# Altium PCB yard-ice.PcbDoc (part 2 of 3)
Units mm, origin at the board's own origin, x right, y up, seen from the top; angles counter-clockwise.
Board outline 109.14 x 69.34 mm, 2 copper layers (Top Layer, Bottom Layer), stack 1.611 mm thick; 175 components, 162 nets, 702 pads, 445 vias.
Unrouted connection lines stored in the file: 1.
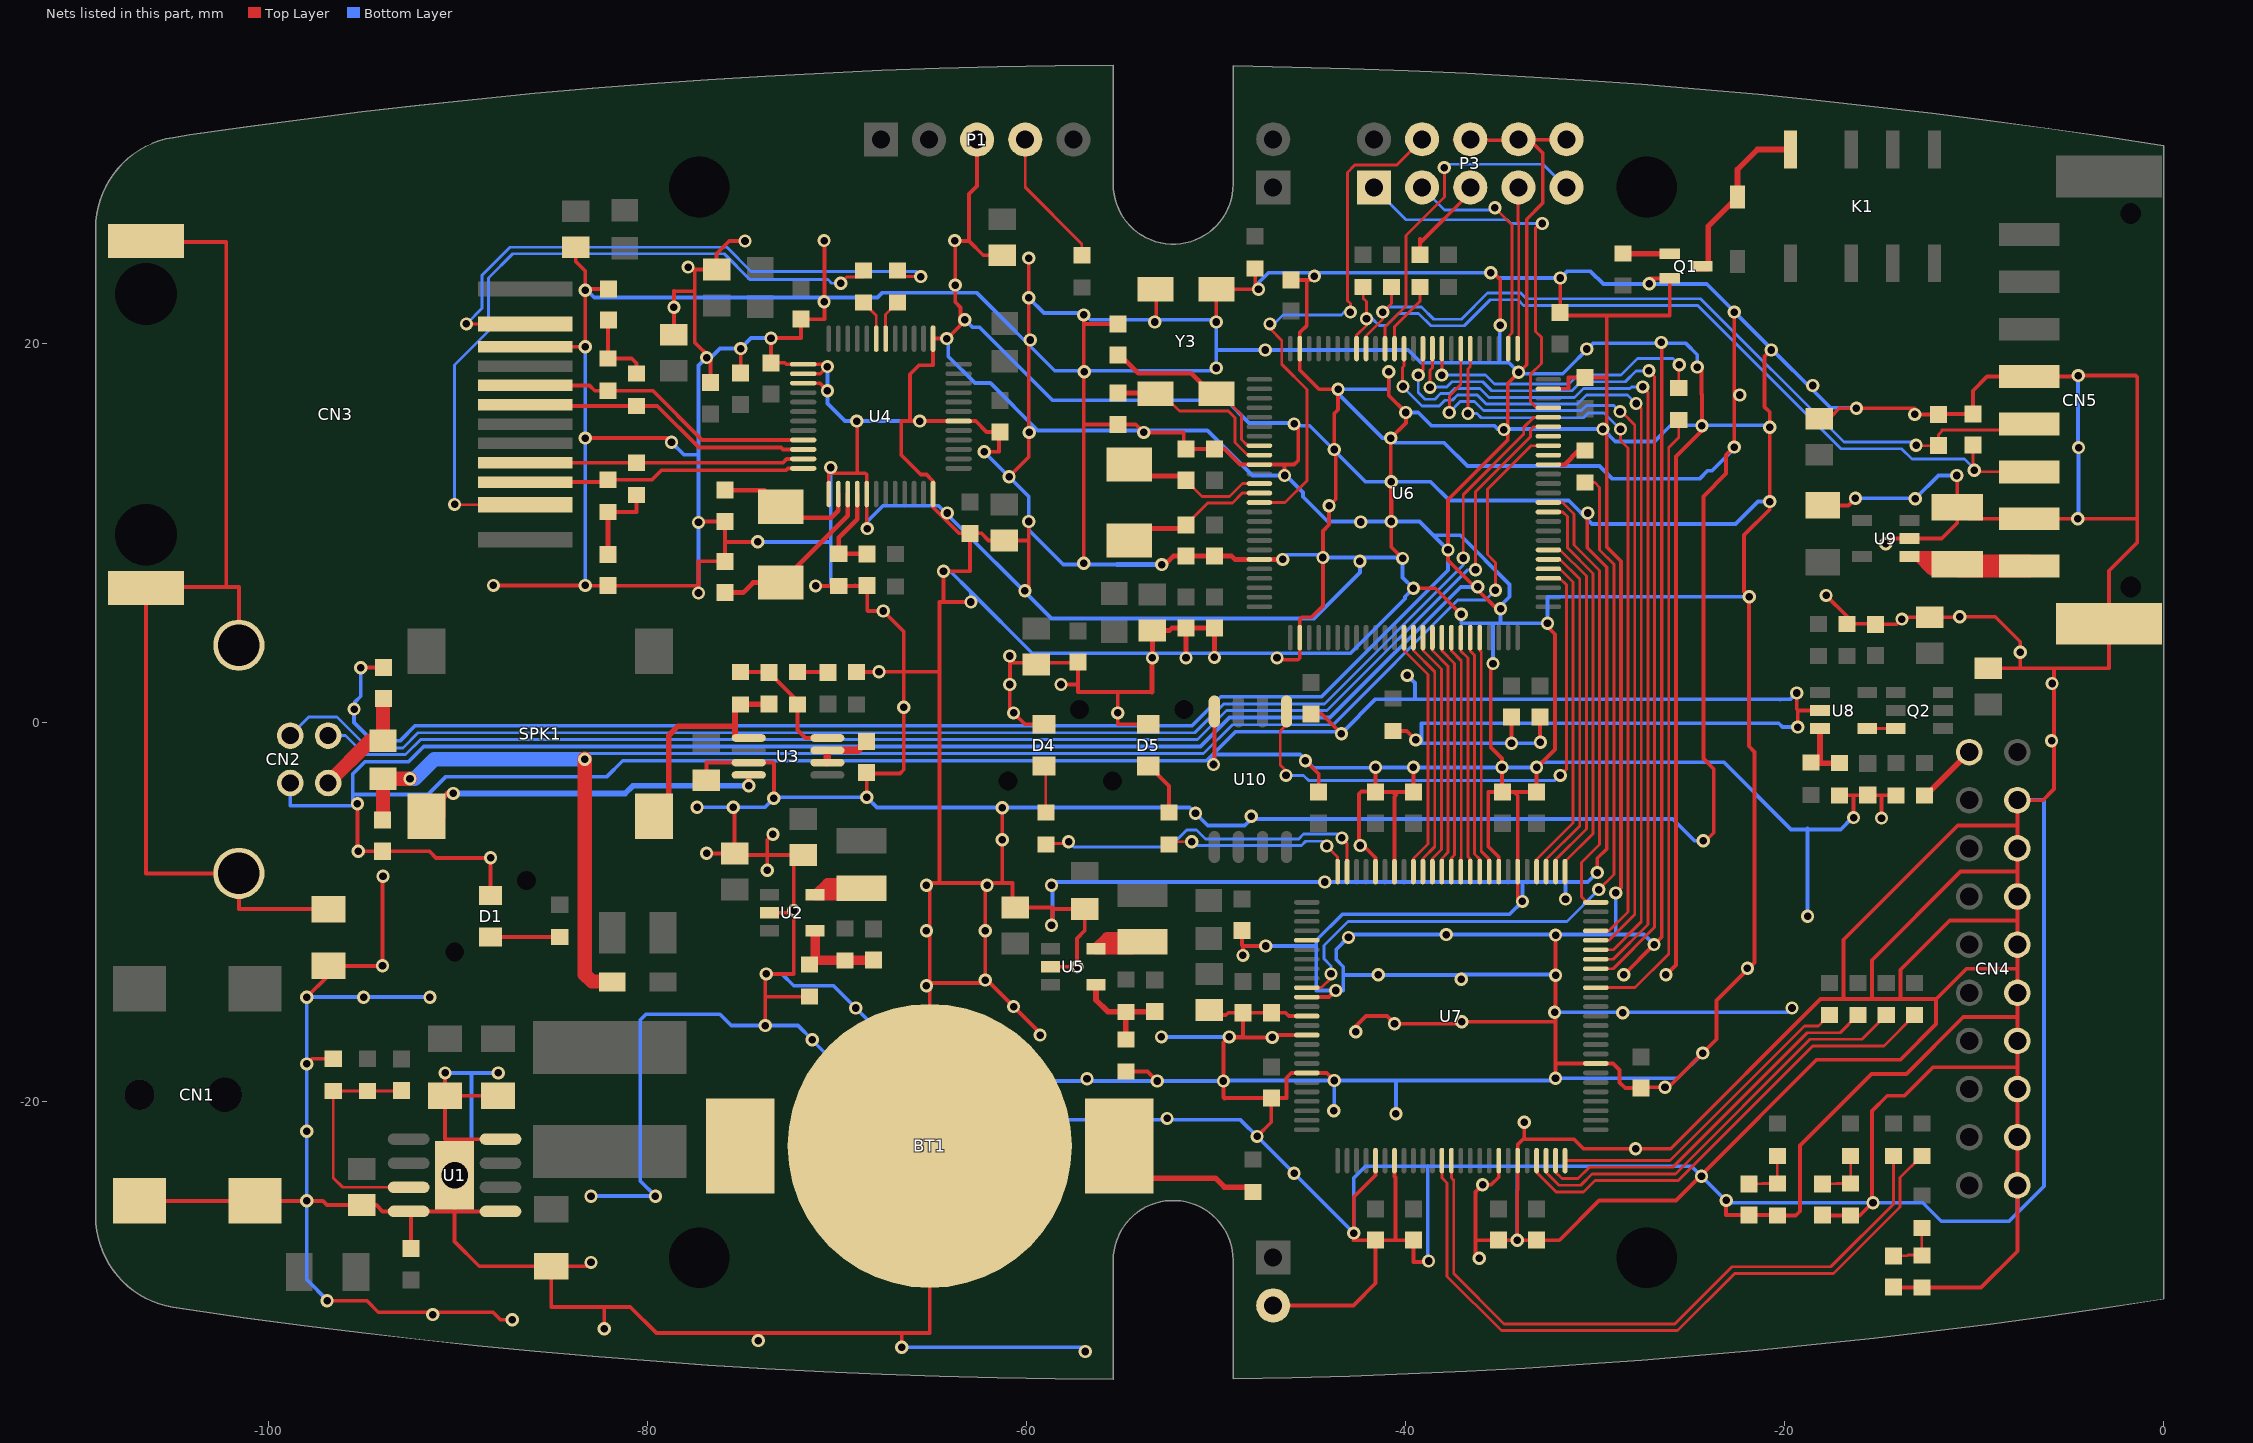
[diagram p2: the nets of this part, all layers, seen from the top]

## Via types
v1: diameter 0.7, hole 0.4, Top Layer to Bottom Layer, 444 vias
v2: diameter 1.8, hole 1.4, Top Layer to Bottom Layer, tented top, 1 vias

## Nets (pads, with @x,y where several pads share a name; then routed paths per layer and width w, separated by ;. In a path a pad name is that pad's centre, name@x,y a point inside that pad or via, vN(x,y) a via of type N, cw(c..) or ccw(c..) an arc to the next point about the centre after c; other vN are vias at no path point) (continued)
FB: C4.2 R1.1 R2.2 U1.3 | length 12.4
  Top Layer w0.15: C4.2@-93,-19.425 -93.025,-19.45 R1.1@-94.8,-19.45 R2.2@-96.6,-19.45 -96.6,-24.035 -96.1,-24.535 U1.3@-92.625,-24.535
FB1: C26.2 R9.2 R11.1 U2.4 | length 5
  Top Layer w0.5: R9.2@-71.475,-12.775 R9.2@-71.25,-12.55 ; U2.4@-71.175,-11 -71.175,-12.475 R9.2@-71.25,-12.55 ; C26.2@-68.1,-12.55 R9.2@-71.25,-12.55
FB2: C43.2 R17.2 R18.1 U5.4 | length 5.6
  Top Layer w0.2: C43.2@-53.275,-15.275 C43.2@-53.25,-15.25
  Top Layer w0.3: U5.4@-56.35,-13.85 -56.35,-14.65 -55.725,-15.275 R18.1@-54.775,-15.275 ; R17.2@-54.775,-16.725 R18.1@-54.775,-15.275 ; C43.2@-53.275,-15.275 R18.1@-54.775,-15.275
FPGA_CLK: R28.1 U7.10 | length 41.8
  Top Layer w0.15: U7.10@-45.225,-14 -44.45,-14 -43.95,-13.5 v1(-43.95,-13.275) ; R28.1@-30.55,12.65 -30.025,12.65 -29.775,12.4 -29.775,9.095 -29.025,8.345 -29.025,-8.025 v1(-29.825,-8.825)
  Bottom Layer w0.15: v1(-43.95,-13.275) -43.95,-12.85 -44.325,-12.475 -44.325,-11.766 -43.059,-10.5 -31.5,-10.5 v1(-29.825,-8.825)
FSMC_CLK: R49.2 U6.84 | length 16.1
  Top Layer w0.15: v1(-38.1,18.325) U6.84@-38.1,19.725 ; R49.2@-25.6,17.65 -25.6,18.85 v1(-25.575,18.875)
  Bottom Layer w0.15: v1(-38.1,18.325) -35.8,18.325 -35.325,17.85 -31.385,17.85 -30.909,18.326 -28.649,18.326 -27.775,19.2 -25.902,19.2 v1@-25.53,18.828
FSMC_D0: U6.61 U7.76 | length 21
  Top Layer w0.15: U6.61@-32.475,11.1 -31.72,11.1 -31.475,10.855 -31.475,9.211 -30.125,7.861 -30.125,-5.875 -31.6,-7.35 U7.76@-31.6,-7.875
FSMC_D1: U6.62 U7.75 | length 23.6
  Top Layer w0.15: U6.62@-32.475,11.6 -31.725,11.6 -31.125,11 -31.125,9.356 -29.775,8.006 -29.775,-6.45 -30.725,-7.4 -30.725,-9.2 -30.425,-9.5 U7.75@-29.975,-9.5
FSMC_D2: U6.81 U7.72 | length 39.8
  Top Layer w0.15: v1(-36.725,16.3) -36.725,16.4 -36.725,18.65 -36.6,18.775 U6.81@-36.6,19.725 ; U7.72@-29.975,-11 -29.275,-11 -28.275,-10 -28.275,14.475 -28.675,14.875 v1(-28.675,15.475)
  Bottom Layer w0.15: v1(-36.725,16.3) -36.25,16.3 -36.025,16.075 -30.625,16.075 -30.375,16.325 -29.541,16.325 v1@-28.692,15.476
FSMC_D3: U6.82 U7.71 | length 42.1
  Top Layer w0.15: v1(-37.705,16.351) -37.705,17.22 -37.1,17.825 U6.82@-37.1,19.725 ; -29.3,-11.5 -29.28,-11.5 -27.925,-10.145 -27.925,15.7 -28.6,16.375 v1@-28.675,16.375
  Bottom Layer w0.15: v1(-37.705,16.351) -37.131,16.925 -36.38,16.925 -35.905,16.45 -30.745,16.45 -30.47,16.725 -29.026,16.725 v1(-28.701,16.401)
FSMC_D4: U6.38 U7.92 | length 13.2
  Top Layer w0.15: U6.38@-40.1,4.475 -40.1,3.8 -38.825,2.525 -38.825,-6.416 -39.6,-7.191 U7.92@-39.6,-7.875
FSMC_D5: U6.39 U7.91 | length 13.1
  Top Layer w0.15: U6.39@-39.6,4.475 -39.6,3.795 -38.475,2.67 -38.475,-6.561 -39.1,-7.186 U7.91@-39.1,-7.875
FSMC_D6: U6.40 U7.90 | length 13
  Top Layer w0.15: U6.40@-39.1,4.475 -39.1,3.79 -38.125,2.815 -38.125,-6.706 -38.6,-7.181 U7.90@-38.6,-7.875
FSMC_D7: U6.41 U7.89 | length 12.8
  Top Layer w0.15: U6.41@-38.6,4.475 -38.6,3.785 -37.775,2.96 -37.775,-6.851 -38.1,-7.176 U7.89@-38.1,-7.875
FSMC_D8: U6.42 U7.88 | length 12.7
  Top Layer w0.15: U6.42@-38.1,4.475 -38.1,3.78 -37.425,3.105 -37.425,-6.996 -37.6,-7.171 U7.88@-37.6,-7.875
FSMC_D9: U6.43 U7.87 | length 12.6
  Top Layer w0.15: U6.43@-37.6,4.475 -37.6,3.775 -37.075,3.25 -37.075,-7.141 -37.1,-7.166 U7.87@-37.1,-7.875
FSMC_D10: U6.44 U7.86 | length 12.6
  Top Layer w0.15: U6.44@-37.1,4.475 -37.1,3.77 -36.725,3.395 -36.725,-7.09 -36.6,-7.215 U7.86@-36.6,-7.875
FSMC_D11: U6.45 U7.85 | length 12.6
  Top Layer w0.15: U6.45@-36.6,4.475 -36.6,3.765 -36.375,3.54 -36.375,-6.945 -36.1,-7.22 U7.85@-36.1,-7.875
FSMC_D12: U6.46 U7.84 | length 12.6
  Top Layer w0.15: U6.46@-36.1,4.475 -36.1,3.8 -36.025,3.725 -36.025,-6.8 -35.6,-7.225 U7.84@-35.6,-7.875
FSMC_D13: U6.55 U7.79 | length 17.7
  Top Layer w0.15: U7.79@-33.1,-7.875 -33.1,-7.24 -31.175,-5.315 -31.175,7.416 -31.859,8.1 U6.55@-32.475,8.1
FSMC_D14: U6.56 U7.78 | length 18.3
  Top Layer w0.15: U7.78@-32.6,-7.875 -32.6,-7.235 -30.825,-5.46 -30.825,7.566 -31.859,8.6 U6.56@-32.475,8.6
FSMC_D15: U6.57 U7.77 | length 18.4
  Top Layer w0.15: U7.77@-32.1,-7.875 -32.1,-7.25 -30.475,-5.625 -30.475,7.716 -31.859,9.1 U6.57@-32.025,9.1
FSMC_NCE2: U6.88 U7.70 | length 46.1
  Top Layer w0.15: v1@-40.177,17.725 -40.177,18.725 -40.1,18.802 U6.88@-40.1,19.725 ; U7.70@-29.975,-12 -29.05,-12 -27.575,-10.525 -27.575,16.55 v1(-27.85,16.825)
  Bottom Layer w0.15: v1(-40.15,17.725) -40.15,17.699 -39.15,16.699 -38.24,16.699 -37.939,17 -37.551,17 -37.276,17.275 -36.235,17.275 -35.76,16.8 -30.95,16.8 -30.474,17.276 -28.301,17.276 v1(-27.85,16.825)
FSMC_NOE: U6.85 U7.68 | length 47.9
  Top Layer w0.15: v1(-38.725,17.674) -38.725,18.584 -38.6,18.709 U6.85@-38.6,19.725 ; U7.68@-29.975,-13 -29.06,-13 -26.875,-10.815 -26.875,18.25 v1(-27.175,18.55)
  Bottom Layer w0.15: v1(-38.725,17.674) -38.7,17.7 -37.841,17.7 -37.566,17.975 -35.945,17.975 -35.47,17.5 -31.24,17.5 -30.764,17.976 -28.424,17.976 -27.85,18.55 v1(-27.175,18.55)
FSMC_NWE: U6.86 U7.69 | length 47.1
  Top Layer w0.15: v1(-39.35,18.325) -39.1,18.575 U6.86@-39.1,19.725 ; U7.69@-29.975,-12.5 -29.055,-12.5 -27.225,-10.67 -27.225,17.425 v1(-27.5,17.7)
  Bottom Layer w0.15: v1(-39.35,18.325) -39.35,17.933 -39.35,17.415 -38.984,17.049 -38.466,17.049 -38.165,17.35 -37.696,17.35 -37.421,17.625 -36.09,17.625 -35.615,17.15 -31.095,17.15 -30.619,17.626 -28.175,17.626 -28.101,17.7 v1(-27.5,17.7)
GND: BT1.2 C1.2 C2.2 C3.2 C5.2 C6.2 C7.2 C8.2 C9.2 C10.2 C11.2 C12.2 C13.2 C14.2 C15.1 C16.1 C17.2 C18.2 C19.2 C20.2 C21.2 C23.2 C24.2 C27.2 C28.2 C29.2 C30.2 C31.2 C32.2 C33.2 C34.2 C35.2 C36.2 C37.1 C38.2 C39.1 C40.2 C41.1 C42.1 C44.2 C45.2 C46.2 C47.2 C48.2 C49.2 C50.2 C51.2 C52.2 C53.2 C54.2 C55.2 C56.2 C57.2 C58.2 C59.2 C60.2 C61.2 C62.2 C63.2 C64.2 C65.2 C66.2 C67.2 C68.2 C69.2 C70.2 C71.2 C72.2 C73.2 C74.2 C75.2 C76.2 C77.2 C78.2 C79.2 CN1.2 CN1.3 CN2.4 CN3.10 CN4.4 CN4.6 CN4.8 CN4.10 CN4.12 CN4.14 CN4.16 CN4.18 CN4.20 CN5.2 CN5.5 CN5.9 D1.2 D4.2 D5.2 P1.3 P3.6 P3.8 P3.10 P4.2 Q1.2 R2.1 R9.1 R12.1 R13.1 R17.1 R22.1 R24.1 R30.1 R32.2 R35.2 R39.1 R44.2 R45.2 U1.4 U1.5 U1.8 U1.9 U2.2 U3.7 U4.1 U4.2 U4.3 U4.13 U4.17 U4.24 U4.30 U4.37 U5.2 U6.10 U6.20 U6.27 U6.74 U6.99 U7.11 U7.13 U7.15 U7.19 U7.30 U7.32 U7.43 U7.45 U7.58 U7.81 U7.83 U7.94 U7.96 U8.2 U9.2 U10.4 Y3.2 Y3.3 | length 2204
  Top Layer w0.2: CN1.2@-106.825,-25.25 CN1.3@-100.725,-25.25 v1(-98,-25.25) -97.15,-25.25 -96.925,-25.475 C2.2@-95.1,-25.475 -94.325,-25.475 -93.995,-25.805 U1.4@-92.625,-25.805 ; v1(-98,-18.025) -97.725,-17.75 R2.1@-96.6,-17.75 ; v1(-98,-14.5) -96.85,-13.35 C1.2@-96.85,-12.85 v1(-94,-12.85) -94,-8.15 v1(-93.975,-8.125) ; v1(-96.925,-30.525) -94.825,-30.525 -94.225,-31.125 -88.175,-31.125 -87.775,-31.525 v1(-87.15,-31.525) ; v1(-95.325,-4.3) -95.325,-6.75 v1(-95.275,-6.8) C5.2@-94,-6.8 -91.525,-6.8 -91.175,-7.15 v1(-88.3,-7.15) D1.2@-88.3,-9.125 ; v1(-95.15,2.875) -95.125,2.9 C6.2@-93.95,2.9 ; C3.2@-92.5,-27.775 -92.5,-25.93 U1.4@-92.625,-25.805 ; v1(-90.7,-18.5) C7.2@-90.7,-19.7 ; v1(-88.15,7.225) v1(-83.3,7.225) -83.287,7.212 C10.2@-82.1,7.212 -77.325,7.212 ; C8.2@-87.9,-19.7 C7.2@-90.7,-19.7 ; U1.8@-87.775,-21.995 -90.2,-21.995 ; U1.5@-86.82,-25.805 U1.5@-87.775,-25.805 -90.2,-25.805 ; CN3.10@-86.475,19.82 -83.305,19.82 v1(-83.3,19.825) v1(-83.3,22.8) ; C12.2@-83.8,25.075 -83.8,24.325 -83.3,23.825 v1(-83.3,22.8) ; v1(-83.3,15) -78.975,15 v1(-78.75,14.775) ; v1(-83,-28.5) -83.2,-28.7 C9.2@-85.1,-28.7 ; v1(-82.3,-32) -82.3,-30.875 -82.325,-30.85 ; C11.2@-82.075,22.875 -83.225,22.875 v1(-83.3,22.8) ; C18.2@-78.625,20.45 v1(-78.625,21.9) -78.625,22.775 -78.6,22.75 -77.525,22.75 ; v1(-77.325,6.825) -77.325,7.212 ; v1(-77.325,10.55) -77.275,10.6 C16.1@-75.925,10.6 -75.925,9.525 ; v1(-76.9,-6.9) -76.875,-6.925 C13.2@-75.425,-6.925 ; C14.2@-76.9,-3.325 -76.9,-2.125 U3.7@-74.675,-2.125 -73.425,-2.125 -73.35,-2.2 v1(-73.35,-4) ; C17.2@-76.7,17.925 -76.7,19.225 -77.525,20.05 -77.525,22.75 ; v1(-75.5,-4.475) -75.425,-4.55 C13.2@-75.425,-6.925 ; C20.2@-75.1,18.425 v1(-75.1,19.725) ; v1@-75.1,25.4 -75.7,25.4 -76.375,24.725 C19.2@-76.375,23.9 -77.525,23.9 -77.525,22.75 ; v1(-74.2,9.525) -75.925,9.525 ; v1(-74.175,-32.625) -74.175,-32.25 -74.15,-32.225 ; v1(-73.8,-16) -73.8,-14.475 ; v1(-73.7,-7.8) -73.7,-7 ; U2.2@-73.575,-10.05 v1@-72.3,-10.05 ; v1(-73.4,-5.9) -73.7,-6.2 -73.7,-7 ; U4.3@-71.8,17.9 -70.925,17.9 v1(-70.525,17.5) ; U4.2@-71.8,18.4 -70.9,18.4 v1(-70.525,18.775) -70.65,18.9 U4.1@-71.8,18.9 -72.7,18.9 -72.775,18.975 C23.2@-73.5,18.975 v1(-73.5,20.275) -71.925,20.275 C24.2@-71.925,21.275 -70.678,21.275 -70.678,25.378 v1@-70.7,25.4 ; R9.1@-71.475,-14.475 -73.8,-14.475 ; v1@-71.203,7.2 -71.232,7.2 -70.375,7.2 -70.35,7.225 -70.325,7.2 -69.075,7.2 ; U4.13@-70.45,12.05 -70.45,13.35 v1(-70.35,13.45) ; v1@-70.45,13.15 -68.95,13.15 ; -69.05,7.225 -69.075,7.2 ; R12.1@-69,2.65 -67.825,2.65 v1(-67.8,2.675) -64.612,2.675 ; v1(-68.975,15.9) -68.95,15.875 -68.95,13.15 ; v1(-68.45,-3.95) C27.2@-68.45,-2.65 -68.4,-2.7 -66.7,-2.7 -66.5,-2.5 v1(-66.5,0.8) -66.5,4.8 v1(-67.575,5.875) -68.4,5.875 -68.425,5.9 C28.2@-68.425,7.225 -68.45,7.2 -69.075,7.2 ; v1(-68.425,10.225) -68.45,10.25 U4.17@-68.45,12.05 -68.45,13.075 -68.525,13.15 -68.95,13.15 ; v1(-66.6,-32.975) -66.6,-32.225 ; v1@-65.675,15.9 -66.1,15.9 ; v1@-65.6,15.9 U4.30@-63.6,15.9 -62.7,15.9 -62.125,15.325 -61.475,15.325 -61.475,14.275 v1(-62.25,14.275) ; v1@-64.988,-13.75 v1@-61.95,-13.75 ; -64.65,-8.475 -65.125,-8.475 BT1.2@-65.125,-22.35 ; -64.4,6.35 v1(-64.4,7.975) ; v1(-64.228,20.251) v1@-64.203,20.251 ; v1(-64.2,11.05) -64.325,10.925 v1@-64.525,10.925 ; v1@-64.15,7.975 -63,7.975 C31.2@-63,9.975 ; v1(-62.95,6.35) -64.612,6.35 -64.612,2.675 ; P1.3@-62.625,30.75 -62.625,28.3 -63.05,27.875 -63.05,25.4 ; v1(-62.1,-8.6) -62.2,-8.7 v1(-62.2,-11) v1(-62.2,-13.6) -62.1,-13.6 v1@-61.95,-13.75 ; BT1.2@-61.375,-22.375 -61.35,-22.35 BT1.2@-65.125,-22.35 ; v1(-61.3,-4.5) v1(-61.3,-6.2) -61.3,-8.475 ; C32.2@-61.275,24.65 -62.3,24.65 -63.05,25.4 ; v1(-60.937,12.963) -59.9,14 v1(-59.9,22.4) v1(-59.9,24.5) ; v1(-60.9,2) -60.9,0.7 v1(-60.7,0.5) -60.1,-0.1 D4.2@-59.1,-0.1 ; v1@-60.887,1.8 -60.887,3.15 ; v1@-60.887,3.5 -60.887,3.15 ; v1(-60.1,6.95) -59.9,7.15 v1(-59.9,10.6) ; -59.9,9.6 C30.2@-61.2,9.6 -62.025,9.6 -62.4,9.975 C31.2@-63,9.975 ; v1(-59.3,-16.5) -59.3,-16.4 v1(-60.7,-15) v1@-61.95,-13.75 ; U5.2@-58.75,-12.9 v1(-57.35,-12.9) -57.35,-11.4 -56.95,-11 C35.2@-56.95,-9.85 -58.575,-9.85 -58.65,-9.775 ; v1@-58.65,-10.675 -58.65,-9.775 ; v1@-58.3,2 v1(-58.2,2) -57.3,2 ; v1(-57,8.4) -57,15.725 ; v1@-57,21.6 -57,21.025 ; -55.2,1.6 v1(-55.2,0.5) -55.2,-0.1 D5.2@-53.6,-0.1 ; C42.1@-55.2,21.025 -57,21.025 ; R17.1@-54.775,-18.425 -53.625,-18.425 v1(-53.125,-18.925) ; -53.4,1.6 -57.3,1.6 -57.3,3.15 -60.887,3.15 ; v1@-53.175,21.4 Y3.3@-53.175,22.925 ; C45.2@-50.6,-15.45 -49.5,-15.45 -49.375,-15.325 C50.2@-48.6,-15.325 ; v1(-50.15,-2.225) -50.105,-2.18 U10.4@-50.105,0.575 ; v1@-50,21.4 Y3.2@-50,22.85 -47.925,22.85 -47.95,22.875 R22.1@-47.95,23.95 ; v1(-49.325,-16.6) -48.65,-16.6 -48.625,-16.625 ; C46.2@-48.65,-10.975 -48.65,-11.75 -48.6,-11.8 ; v1(-48.6,-12.3) -48.6,-11.8 ; v1(-47.85,-21.85) -47.1,-21.1 C49.2@-47.1,-19.825 ; v1(-47.4,-11.8) -48.6,-11.8 ; P4.2@-47,-30.77 -42.77,-30.77 -41.6,-29.6 C54.2@-41.6,-27.325 ; v1(-46.8,3.4) -46.7,3.3 -45.7,3.3 -45.6,3.4 U6.27@-45.6,4.475 -45.6,5.425 -45.475,5.55 -45.406,5.55 -44.975,5.55 -44.377,6.148 v1(-44.377,8.7) v1@-44.377,8.827 ; -46.575,13.6 -46.4,13.6 ; v1(-46.4,13.025) -46.4,13.6 ; C53.2@-46.025,23.35 -45.225,23.35 ; v1@-45.852,15.676 -45.85,15.674 -45.675,15.674 -45.675,13.825 -45.9,13.6 -46.4,13.6 ; v1(-45.3,-2.025) -44.6,-2.725 C79.2@-44.6,-3.675 ; U7.15@-45.225,-16.5 -46.875,-16.5 -47.05,-16.675 v1(-47.05,-16.625) -48.625,-16.625 ; U7.13@-45.225,-15.5 -46.175,-15.5 -46.35,-15.325 C50.2@-48.6,-15.325 ; U7.11@-45.225,-14.5 -44.05,-14.5 v1(-43.7,-14.15) ; C52.2@-45,0.45 -44.45,0.45 v1(-43.4,-0.6) ; v1(-44.825,23.55) -45.025,23.35 -45.225,23.35 ; v1@-44.377,8.85 -44.377,10.098 -44.05,10.425 v1(-44.05,11.425) -43.7,11.775 -43.7,14.325 v1(-43.775,14.4) -43.775,16.3 -43.575,16.5 v1(-43.575,17.575) -44.575,17.575 -45.6,18.6 U6.99@-45.6,19.725 -45.6,20.575 -45.225,20.95 -45.225,23.35 ; v1(-43.775,-18.9) -44.175,-18.5 U7.19@-45.225,-18.5 -46.05,-18.5 -46.3,-18.75 -46.3,-19.825 C49.2@-47.1,-19.825 ; v1(-42.65,-16.325) -42.65,-16.05 -42.1,-15.5 -41,-15.5 v1(-40.6,-15.9) -37.15,-15.9 v1(-37.05,-15.8) -32.1,-15.8 ; U7.30@-41.6,-23.125 -41.6,-23.9 -42.75,-25.05 v1(-42.75,-26.95) -42.75,-27.3 -42.775,-27.325 C54.2@-41.6,-27.325 ; U7.96@-41.6,-7.875 -41.6,-7.144 -42.475,-6.269 -42.475,-3.775 -42.35,-3.65 -41.625,-3.65 C55.2@-41.6,-3.675 ; v1(-41.6,-2.375) C55.2@-41.6,-3.675 ; v1(-40.9,18.5) -40.9,17.25 v1(-40,16.35) -40,15.8 v1(-40.8,15) -40.8,12.725 v1(-40.775,12.7) ; v1(-40.775,10.6) -40.775,9.25 v1(-40.175,8.65) ; R24.1@-40.675,-0.45 -39.95,-0.45 v1(-39.475,-0.925) ; U7.32@-40.6,-23.125 -40.6,-23.975 -40.55,-24.025 -40.55,-27.325 ; U7.94@-40.6,-7.875 -40.6,-3.925 -40.525,-3.85 -40.7,-3.675 ; v1(-39.6,-2.375) C57.2@-39.6,-3.675 -40.7,-3.675 ; v1(-39.6,7.075) -38.452,7.075 v1(-37.077,5.7) ; C56.2@-39.575,-27.325 C56.2@-39.6,-27.325 ; v1@-38.85,-28.475 -39.6,-28.475 C56.2@-39.6,-27.325 ; P3.6@-37.435,30.72 -33.445,30.72 -32.775,30.05 -32.775,27.4 -33.625,26.55 -33.625,18.875 -34.625,17.875 -34.625,14.895 -37.775,11.745 v1(-37.775,9.1) -37.775,8.55 -36.3,7.075 -35.225,6 v1(-35,6) ; -36.325,-27.95 v1@-36.325,-28.075 ; v1(-36.125,-28.275) v1@-36.325,-28.075 ; v1(-35.4,3.1) -35.525,2.975 -35.525,-1.3 -34.925,-1.9 v1(-34.925,-2.375) ; v1@-35.375,23.725 -35.021,23.371 v1(-35.021,20.95) ; U7.43@-35.1,-23.125 -35.1,-24 -35.5,-24.4 v1(-35.95,-24.4) -36.325,-24.775 -36.325,-27.325 ; U7.83@-35.1,-7.875 -35.1,-7.1 -35.65,-6.55 -35.65,-3.675 -34.925,-3.675 v1@-34.925,-2.55 ; C59.2@-34.9,-3.675 -34.3,-3.675 ; v1(-34.425,-1.1) C60.2@-34.425,0.275 ; P3.8@-34.06,30.745 P3.10@-31.52,30.745 ; v1(-33.85,-9.45) -34.1,-9.45 U7.81@-34.1,-7.875 -34.1,-3.875 -34.3,-3.675 ; v1(-33.752,-21.101) -33.752,-22 ; v1(-33.1,-2.375) v1@-33.1,-2.4 ; C63.2@-32.925,0.275 -32.925,-1.025 v1(-32.9,-1.05) ; v1(-32.525,5.225) -32.525,5.05 -32.125,4.65 -32.125,-1.425 v1@-33.1,-2.4 ; U6.74@-32.475,17.6 -31.425,17.6 -31.425,18.2 -29.4,18.2 ; v1(-32.102,-18.777) -32.102,-17.977 -32.1,-17.975 ; v1@-32.1,-11.2 v1(-32.1,-11.225) -32.1,-15.8 ; v1(-31.85,23.45) -31.85,21.65 C64.2@-31.875,21.625 -31.725,21.475 -26.075,21.475 Q1.2@-26.075,23.425 v1@-27.15,23.425 ; v1@-30.425,11.075 -30.425,9.214 -29.4,8.189 -29.4,-6.675 -29.9,-7.175 v1(-29.9,-7.925) ; -29.4,21.475 -29.4,18.2 ; v1(-28.926,-9) -28.65,-8.724 -28.65,8.5 -29.4,9.25 -29.4,18.2 ; v1(-28.5,-13.325) v1(-26.9,-11.725) -26.5,-11.325 -26.5,14.312 -26.5,20.025 v1(-26.525,20.05) ; v1(-27.877,-22.5) -26.025,-22.5 ; v1(-26.275,-13.325) -25.75,-12.8 -25.75,14.025 -24.375,15.4 v1(-24.375,15.65) -24.375,17.3 -24.4,17.325 -24.4,18.75 v1(-24.625,18.75) ; v1(-24.301,-6.25) -24.175,-6.25 -23.75,-5.825 -23.75,-2.455 -24.3,-1.905 -24.3,11.569 -24.3,11.925 -23.1,13.125 -23.1,14.1 v1(-22.675,14.525) v1(-22.675,21.65) ; v1@-24.249,-23.725 v1@-24.325,-23.8 ; v1@-23.1,-25.3 -23.1,-26 C67.2@-21.9,-26 -20.425,-26 R32.2@-20.4,-26.025 -19.425,-26.025 -19.2,-25.8 -19.2,-22.325 -15.425,-18.55 -13.589,-18.55 -10.589,-15.55 -7.73,-15.55 CN4.12@-7.73,-14.27 ; v1(-20.725,19.65) -21.075,19.3 -21.075,16.65 -20.8,16.375 v1(-20.8,15.575) v1(-20.8,11.65) -20.8,11.23 -22.15,9.88 -22.15,6.9 -21.9,6.65 -21.9,-1.265 -21.6,-1.565 -21.6,-12.675 -23.6,-14.675 -23.6,-16.725 -26.125,-19.25 v1(-26.325,-19.25) -27.55,-19.25 C66.2@-27.6,-19.3 -28.425,-19.3 -28.725,-19 -28.725,-18.35 -29.075,-18 U7.58@-29.975,-18 -32.075,-18 -32.1,-17.975 ; v1(-19.375,1.55) -19.375,0.7 -19.3,0.625 ; v1(-19.325,-0.25) -19.325,0.6 -19.3,0.625 ; U8.2@-18.15,0.625 -19.3,0.625 ; C68.2@-18.025,-26 -18,-26.025 R35.2@-16.525,-26.025 -16.05,-26.025 -15.4,-25.375 -15.4,-20.5 -14.6,-19.7 -13.679,-19.7 -12.179,-18.2 -7.73,-18.2 CN4.14@-7.73,-16.81 ; C70.2@-18,11.45 -16.65,11.45 v1(-16.275,11.825) ; v1(-17.825,6.7) -16.725,5.6 R30.1@-16.725,5.2 -15.25,5.2 C69.2@-15.225,5.175 -14.1,5.175 v1(-13.825,5.45) -13.725,5.55 C74.2@-12.35,5.55 -10.8,5.55 v1(-10.775,5.575) -8.9,5.575 -7.575,4.25 -7.575,2.85 ; C71.2@-17.65,16.05 -17.1,16.6 -17.075,16.575 v1@-13.15,16.575 ; R39.1@-17.351,-3.85 R39.1@-17.125,-3.85 -16.375,-3.85 ; v1@-16.45,-5.05 -16.375,-4.975 -16.375,-3.85 ; v1(-14.9,-5.05) -14.9,-3.85 ; v1(-14.675,9.425) -14.4,9.7 U9.2@-13.425,9.7 -11.725,9.7 -10.9,10.525 C75.2@-10.9,11.35 ; R44.2@-14.475,-3.85 -16.375,-3.85 ; C73.2@-14.275,-29.8 -14.25,-29.825 R45.2@-12.775,-29.825 -9.65,-29.825 -7.73,-27.905 CN4.20@-7.73,-24.43 CN4.18@-7.73,-21.89 CN4.16@-7.73,-19.35 CN4.14@-7.73,-16.81 ; v1(-13.15,16.25) C76.2@-11.9,16.25 -11.875,16.275 C78.2@-10.075,16.275 -10.075,17.5 -9.325,18.25 CN5.5@-7.1,18.25 -4.575,18.25 v1(-4.525,18.3) -1.5,18.3 -1.4,18.2 -1.4,10.7 ; v1(-10.925,13.025) -10.9,13 C75.2@-10.9,11.35 ; C77.2@-9.275,2.85 -7.575,2.85 ; v1(-7.575,3.7) -7.575,2.85 ; U1.4@-92.625,-25.805 -90.2,-25.805 ; C7.2@-90.7,-19.7 -90.7,-21.995 -90.2,-21.995 ; -90.2,-25.805 -90.2,-27.4 -88.9,-28.7 C9.2@-85.1,-28.7 ; -90.2,-25.805 v2(-90.2,-23.9) -90.2,-21.995 ; C9.2@-85.1,-28.7 -85.1,-30.85 -82.325,-30.85 ; -82.325,-30.85 -80.925,-30.85 -79.55,-32.225 -74.15,-32.225 ; -77.325,7.212 -77.325,8.5 C15.1@-75.925,8.5 -75.925,9.525 ; C13.2@-75.425,-6.925 -75.35,-7 -73.7,-7 ; -74.15,-32.225 -66.6,-32.225 ; -73.8,-14.475 -73.8,-13.275 -72.3,-13.275 v1@-72.3,-10.05 ; -73.7,-7 C21.2@-71.8,-7 -72.3,-7.5 v1(-72.3,-9.925) v1@-72.3,-10.05 ; -66.6,-32.225 -65.125,-32.225 BT1.2@-65.125,-22.35 ; -66.1,15.9 -66.16,15.96 -66.16,18.365 -65.675,18.85 -64.95,18.85 U4.37@-64.95,20.25 -64.15,20.25 -64.151,20.251 v1@-64.203,20.251 ; -66.1,15.9 -66.628,15.9 -66.628,14.106 -65.597,13.075 -65.299,13.075 -64.95,12.726 U4.24@-64.95,12.05 -64.95,11.35 v1@-64.525,10.925 ; -64.612,2.675 -64.612,-8.475 -61.3,-8.475 ; v1@-64.525,10.925 -63.575,9.975 C31.2@-63,9.975 ; v1@-64.203,20.251 -63.5,20.954 -63.5,21.9 -63.775,22.175 v1(-63.775,23.075) -63.775,25.375 -63.8,25.4 -63.05,25.4 ; -61.3,-8.475 -60.75,-8.475 -60.75,-9.775 C29.2@-60.6,-9.775 -58.65,-9.775 ; -57,15.725 -54.25,15.725 v1(-53.825,15.3) -51.725,15.3 -51.725,14.45 -51.7,14.425 C40.2@-50.1,14.425 -49.575,14.425 -48.75,13.6 U6.10@-47.725,13.6 -46.4,13.6 ; -57,15.725 -57,21.025 ; -48.625,-16.625 -48.6,-16.6 C50.2@-48.6,-15.325 ; -48.625,-16.625 -49.35,-16.625 -49.625,-16.9 v1(-49.625,-18.925) -49.625,-19.8 -49.575,-19.85 -49.55,-19.825 C49.2@-47.1,-19.825 ; C54.2@-41.6,-27.325 -40.55,-27.325 ; C55.2@-41.6,-3.675 -40.7,-3.675 ; -40.55,-27.325 C56.2@-39.6,-27.325 ; v1@-36.325,-28.075 -36.325,-27.325 ; -36.325,-27.325 C58.2@-35.1,-27.325 C61.2@-33.1,-27.325 ; -34.3,-3.675 C62.2@-33.1,-3.675 v1@-33.1,-2.4 ; -33.752,-22 -33.825,-22 -34.1,-22.275 U7.45@-34.1,-23.125 -34.1,-23.95 -34.1,-24.644 -34.125,-24.669 v1(-34.125,-27.325) C61.2@-33.1,-27.325 ; -33.752,-22 -31.125,-22 -30.625,-22.5 -26.025,-22.5 ; C61.2@-33.1,-27.325 -31.9,-27.325 -29.8,-25.225 -25.749,-25.225 v1@-24.325,-23.8 ; -32.1,-17.975 -32.1,-15.8 ; -26.025,-22.5 -18.125,-14.6 -16.95,-14.6 ; v1@-24.325,-23.8 -18.324,-17.8 -13.9,-17.8 -12.025,-15.925 -12.025,-14.611 ; -16.95,-14.6 -15.4,-14.6 ; -16.95,-14.6 -16.9,-14.55 -16.9,-11.475 -10.875,-5.45 -7.73,-5.45 ; -15.4,-14.6 -13.9,-14.6 ; -15.4,-14.6 -15.4,-12.55 -10.725,-7.875 -7.73,-7.875 CN4.6@-7.73,-6.65 ; -13.9,-14.6 -12.036,-14.6 -12.025,-14.611 ; -13.9,-14.6 -13.9,-13.05 -11.3,-10.45 -7.73,-10.45 CN4.8@-7.73,-9.19 ; -12.025,-14.611 -10.414,-13 -7.73,-13 CN4.10@-7.73,-11.73 ; C75.2@-10.9,11.35 -10.3,10.75 CN5.2@-7.1,10.75 v1(-4.55,10.75) -1.45,10.75 -1.4,10.7 ; CN4.14@-7.73,-16.81 CN4.12@-7.73,-14.27 ; CN4.12@-7.73,-14.27 CN4.10@-7.73,-11.73 ; CN4.10@-7.73,-11.73 CN4.8@-7.73,-9.19 ; CN4.8@-7.73,-9.19 CN4.6@-7.73,-6.65 ; CN4.6@-7.73,-6.65 -7.73,-5.45 ; -7.73,-5.45 CN4.4@-7.73,-4.11 -6.385,-4.11 -5.8,-3.525 -5.8,2.85 ; -7.575,2.85 -5.8,2.85 ; -5.8,2.85 -2.9,2.85 CN5.9@-2.9,5.2 -2.9,8 -1.4,9.5 -1.4,10.7